# Altium PCB PCB3.PcbDoc (part 4 of 5)
Units mil, origin at the board's own origin, x right, y up, seen from the top; angles counter-clockwise.
Board outline 6000 x 4000 mil, 2 copper layers (Top Layer, Bottom Layer); 340 components, 0 nets, 1296 pads, 308 vias.
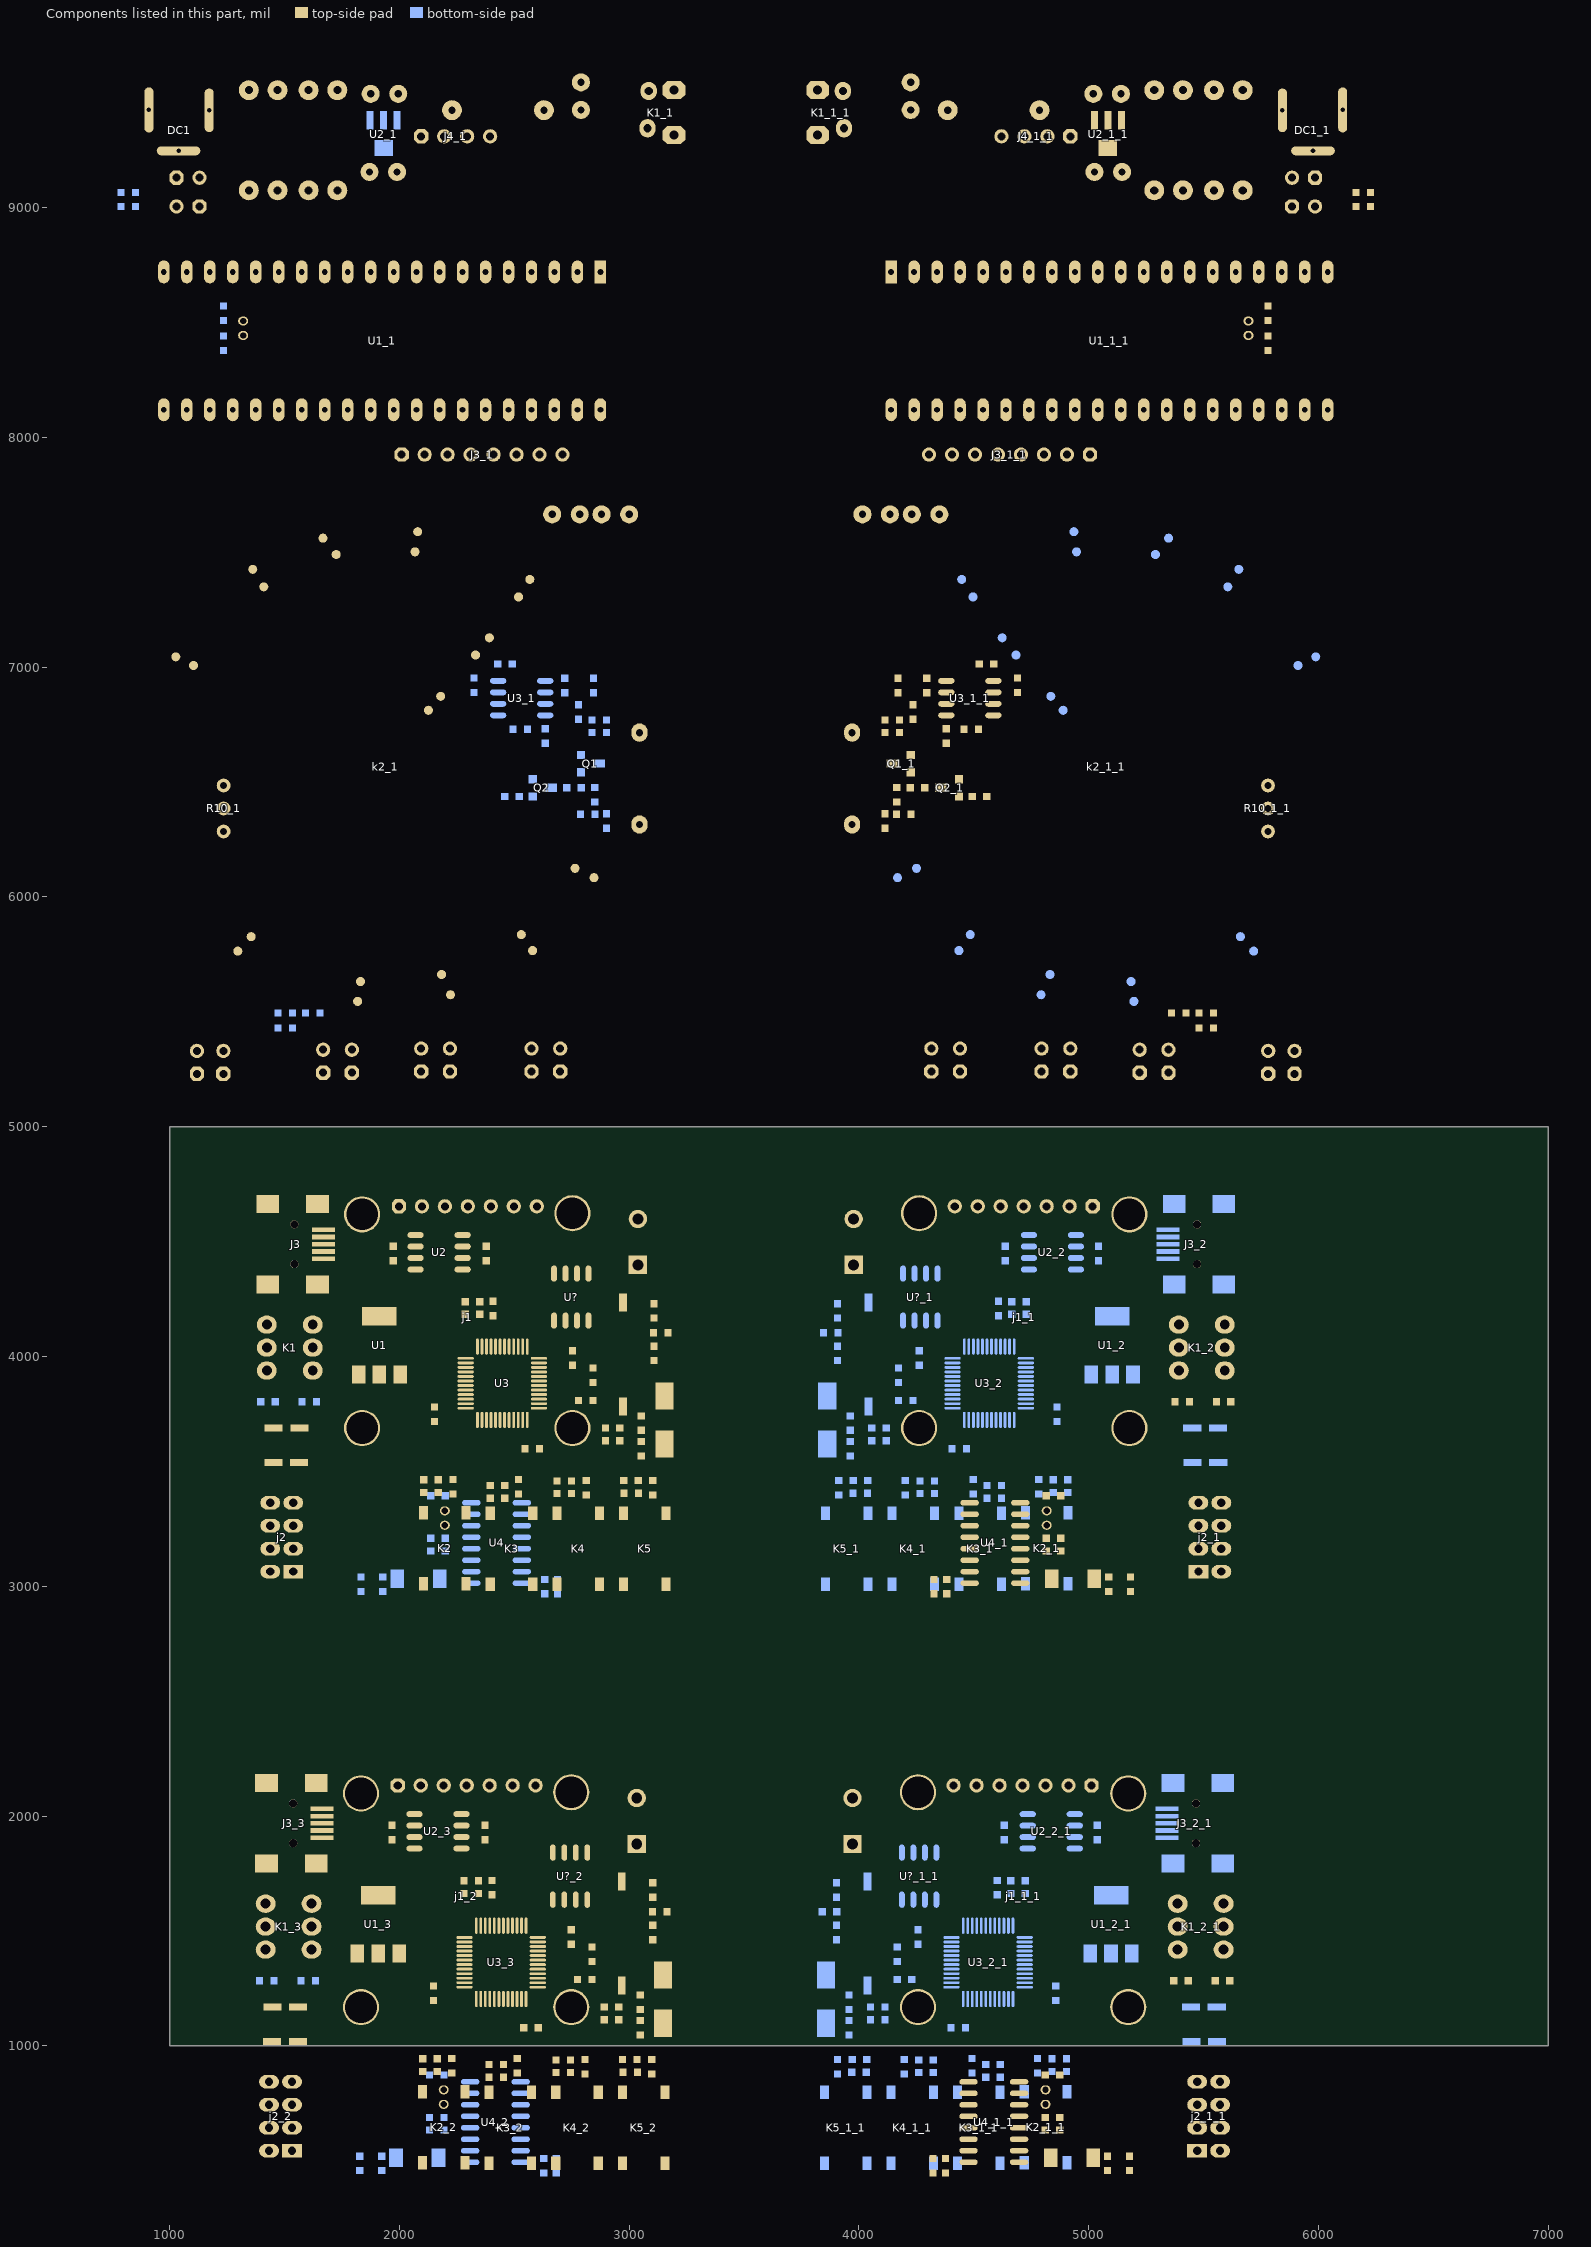
[diagram p4: the components of this part, seen from the top]

## Via types
v1: diameter 39.37, hole 19.68, Top Layer to Bottom Layer, 192 vias
v2: diameter 50, hole 28, Top Layer to Bottom Layer, 116 vias

## Nets (pads, with @x,y where several pads share a name; then routed paths per layer and width w, separated by ;. In a path a pad name is that pad's centre, name@x,y a point inside that pad or via, vN(x,y) a via of type N, cw(c..) or ccw(c..) an arc to the next point about the centre after c; other vN are vias at no path point) (continued)
copper on no net: (continued)
  Bottom Layer w2: 1611,6070 1623,6070 ; 1611,6072 1623,6072 ; 1611,6074 1623,6074 ; 1611,6076 1623,6076 ; 1611,6078 1623,6078 ; 1611,6080 1623,6080 ; 1611,6082 1623,6082 ; 1611,6084 1623,6084 ; 1611,6086 1623,6086 ; 1611,6088 1623,6088 ; 1611,6090 1623,6090 ; 1611,6092 1623,6092 ; 1611,6094 1623,6094 ; 1611,6096 1623,6096 ; 1611,6098 1623,6098 ; 1611,6100 1623,6100 ; 1611,6102 1623,6102 ; 1611,6104 1623,6104 ; 1613,6056 1625,6056 ; 1613,6058 1625,6058 ; 1613,6060 1625,6060 ; 1613,6062 1623,6062 ; 1613,6064 1623,6064 ; 1613,6066 1623,6066 ; 1613,6068 1623,6068 ; 1613,6106 1623,6106 ; 1613,6108 1623,6108 ; 1613,6110 1623,6110 ; 1613,6112 1623,6112 ; 1613,6114 1625,6114 ; 1613,6116 1625,6116 ; 1613,6118 1625,6118 ; 1613,6120 1625,6120 ; 1615,6046 1627,6046 ; 1615,6048 1627,6048 ; 1615,6050 1625,6050 ; 1615,6052 1625,6052 ; 1615,6054 1625,6054 ; 1615,6122 1625,6122 ; 1615,6124 1625,6124 ; 1615,6126 1627,6126 ; 1615,6128 1627,6128 ; 1615,6130 1627,6130 ; 1617,6038 1629,6038 ; 1617,6040 1629,6040 ; 1617,6042 1629,6042 ; 1617,6044 1627,6044 ; 1617,6132 1627,6132 ; 1617,6134 1627,6134 ; 1617,6136 1629,6136 ; 1617,6138 1629,6138 ; 1619,6032 1631,6032 ; 1619,6034 1629,6034 ; 1619,6036 1629,6036 ; 1619,6140 1629,6140 ; 1619,6142 1629,6142 ; 1619,6144 1631,6144 ; 1619,6146 1631,6146 ; 1621,6026 1633,6026 ; 1621,6028 1631,6028 ; 1621,6030 1631,6030 ; 1621,6148 1631,6148 ; 1621,6150 1633,6150 ; 1621,6152 1633,6152 ; 1623,6020 1635,6020 ; 1623,6022 1635,6022 ; 1623,6024 1633,6024 ; 1623,6154 1633,6154 ; 1623,6156 1635,6156 ; 1623,6158 1635,6158 ; 1625,6014 1637,6014 ; 1625,6016 1637,6016 ; 1625,6018 1635,6018 ; 1625,6160 1635,6160 ; 1625,6162 1637,6162 ; 1625,6164 1637,6164 ; 1627,6010 1639,6010 ; 1627,6012 1639,6012 ; 1627,6166 1639,6166 ; 1627,6168 1639,6168 ; 1629,6004 1641,6004 ; 1629,6006 1641,6006 ; 1629,6008 1641,6008 ; 1629,6170 1641,6170 ; 1629,6172 1641,6172 ; 1631,6000 1643,6000 ; 1631,6002 1643,6002 ; 1631,6174 1643,6174 ; 1631,6176 1643,6176 ; 1633,5996 1645,5996 ; 1633,5998 1645,5998 ; 1633,6178 1645,6178 ; 1633,6180 1645,6180 ; 1635,5992 1649,5992 ; 1635,5994 1647,5994 ; 1635,6182 1647,6182 ; 1635,6184 1647,6184 ; 1637,5988 1651,5988 ; 1637,5990 1649,5990 ; 1637,6186 1649,6186 ; 1637,6188 1651,6188 ; 1639,5986 1651,5986 ; 1639,6190 1653,6190 ; 1641,5982 1655,5982 ; 1641,5984 1653,5984 ; 1641,6192 1653,6192 ; 1641,6194 1655,6194 ; 1643,5978 1657,5978 ; 1643,5980 1655,5980 ; 1643,6196 1657,6196 ; 1645,5976 1659,5976 ; 1645,6198 1659,6198 ; 1645,6200 1661,6200 ; 1647,5972 1661,5972 ; 1647,5974 1659,5974 ; 1647,6202 1663,6202 ; 1649,5970 1663,5970 ; 1649,6204 1665,6204 ; 1651,5966 1665,5966 ; 1651,5968 1665,5968 ; 1651,6206 1665,6206 ; 1653,5964 1667,5964 ; 1653,6208 1669,6208 ; 1655,5962 1669,5962 ; 1655,6210 1671,6210 ; 1657,5958 1673,5958 ; 1657,5960 1671,5960 ; 1657,6212 1673,6212 ; 1659,5956 1673,5956 ; 1659,6214 1675,6214 ; 1661,5954 1675,5954 ; 1661,6216 1679,6216 ; 1663,5952 1677,5952 ; 1663,6218 1681,6218 ; 1665,5950 1679,5950 ; 1665,6220 1683,6220 ; 1667,5948 1681,5948 ; 1667,6222 1687,6222 ; 1669,5946 1683,5946 ; 1671,5944 1685,5944 ; 1671,6224 1689,6224 ; 1673,5812 1683,5812 ; 1673,5814 1683,5814 ; 1673,5816 1683,5816 ; 1673,5818 1683,5818 ; 1673,5820 1683,5820 ; 1673,5822 1685,5822 ; 1673,5824 1685,5824 ; 1673,5826 1685,5826 ; 1673,5828 1685,5828 ; 1673,5942 1689,5942 ; 1673,6226 1693,6226 ; 1675,5810 1681,5810 ; 1675,5830 1685,5830 ; 1675,5832 1685,5832 ; 1675,5834 1685,5834 ; 1675,5836 1685,5836 ; 1675,5838 1685,5838 ; 1675,5840 1687,5840 ; 1675,5842 1687,5842 ; 1675,5844 1687,5844 ; 1675,5846 1687,5846 ; 1675,5848 1687,5848 ; 1675,5940 1691,5940 ; 1677,5850 1687,5850 ; 1677,5852 1687,5852 ; 1677,5854 1687,5854 ; 1677,5856 1687,5856 ; 1677,5858 1689,5858 ; 1677,5860 1689,5860 ; 1677,5862 1689,5862 ; 1677,5938 1693,5938 ; 1677,6228 1697,6228 ; 1679,5864 1689,5864 ; 1679,5866 1689,5866 ; 1679,5868 1689,5868 ; 1679,5870 1691,5870 ; 1679,5872 1691,5872 ; 1679,5874 1691,5874 ; 1679,5936 1695,5936 ; 1679,6230 1699,6230 ; 1681,5876 1691,5876 ; 1681,5878 1691,5878 ; 1681,5880 1693,5880 ; 1681,5882 1693,5882 ; 1681,5934 1699,5934 ; 1681,6232 1703,6232 ; 1683,5884 1693,5884 ; 1683,5886 1693,5886 ; 1683,5888 1693,5888 ; 1683,5890 1695,5890 ; 1683,5892 1695,5892 ; 1683,5932 1701,5932 ; 1683,6110 1695,6110 ; 1683,6112 1695,6112 ; 1683,6114 1695,6114 ; 1683,6116 1695,6116 ; 1683,6118 1695,6118 ; 1683,6120 1695,6120 ; 1685,5894 1695,5894 ; 1685,5896 1697,5896 ; 1685,5898 1697,5898 ; 1685,5930 1703,5930 ; 1685,6100 1697,6100 ; 1685,6102 1697,6102 ; 1685,6104 1697,6104 ; 1685,6106 1695,6106 ; 1685,6108 1695,6108 ; 1685,6122 1695,6122 ; 1685,6124 1695,6124 ; 1685,6126 1697,6126 ; 1685,6128 1697,6128 ; 1685,6234 1709,6234 ; 1687,5900 1697,5900 ; 1687,5902 1699,5902 ; 1687,5904 1699,5904 ; 1687,5906 1699,5906 ; 1687,5928 1705,5928 ; 1687,6094 1699,6094 ; 1687,6096 1699,6096 ; 1687,6098 1697,6098 ; 1687,6130 1697,6130 ; 1687,6132 1699,6132 ; 1687,6134 1699,6134 ; 1689,5908 1701,5908 ; 1689,5910 1701,5910 ; 1689,6090 1701,6090 ; 1689,6092 1701,6092 ; 1689,6136 1701,6136 ; 1689,6138 1703,6138 ; 1689,6236 1713,6236 ; 1691,5912 1701,5912 ; 1691,5914 1703,5914 ; 1691,5916 1703,5916 ; 1691,5926 1705,5926 ; 1691,6086 1703,6086 ; 1691,6088 1703,6088 ; 1691,6140 1705,6140 ; 1693,5918 1703,5918 ; 1693,5920 1705,5920 ; 1693,5922 1705,5922 ; 1693,5924 1705,5924 ; 1693,6082 1707,6082 ; 1693,6084 1705,6084 ; 1693,6142 1705,6142 ; 1693,6144 1707,6144 ; 1693,6238 1717,6238 ; 1695,6078 1711,6078 ; 1695,6080 1709,6080 ; 1695,6146 1709,6146 ; 1695,6240 1721,6240 ; 1697,6076 1713,6076 ; 1697,6148 1713,6148 ; 1699,6074 1717,6074 ; 1699,6150 1715,6150 ; 1699,6242 1727,6242 ; 1701,6072 1719,6072 ; 1701,6152 1717,6152 ; 1703,6070 1723,6070 ; 1703,6154 1721,6154 ; 1703,6244 1733,6244 ; 1705,6068 1729,6068 ; 1705,6156 1725,6156 ; 1707,6158 1731,6158 ; 1707,6246 1739,6246 ; 1709,6066 1741,6066 ; 1709,6160 1785,6160 ; 1711,6064 1781,6064 ; 1713,6162 1781,6162 ; 1713,6248 1747,6248 ; 1715,6062 1777,6062 ; 1717,6164 1777,6164 ; 1717,6250 1755,6250 ; 1719,6060 1773,6060 ; 1721,6166 1771,6166 ; 1723,6252 1763,6252 ; 1725,6058 1767,6058 ; 1727,6168 1765,6168 ; 1729,6254 1775,6254 ; 1733,6056 1759,6056 ; 1735,6256 1793,6256 ; 1737,6170 1753,6170 ; 1741,6258 1899,6258 ; 1743,6136 1789,6136 ; 1743,6138 1803,6138 ; 1743,6140 1801,6140 ; 1743,6142 1801,6142 ; 1743,6144 1799,6144 ; 1743,6146 1799,6146 ; 1745,6134 1789,6134 ; 1745,6148 1797,6148 ; 1745,6150 1795,6150 ; 1747,6132 1789,6132 ; 1747,6152 1793,6152 ; 1749,6130 1787,6130 ; 1749,6154 1791,6154 ; 1749,6260 1893,6260 ; 1751,6128 1785,6128 ; 1751,6156 1789,6156 ; 1753,6014 1771,6014 ; 1753,6016 1769,6016 ; 1753,6018 1765,6018 ; 1753,6126 1783,6126 ; 1755,6012 1773,6012 ; 1755,6020 1763,6020 ; 1755,6066 1783,6066 ; 1755,6158 1787,6158 ; 1757,6010 1777,6010 ; 1757,6124 1779,6124 ; 1759,6262 1885,6262 ; 1761,6008 1781,6008 ; 1761,6122 1771,6122 ; 1763,6006 1783,6006 ; 1763,6068 1785,6068 ; 1767,6004 1787,6004 ; 1767,6264 1877,6264 ; 1769,6002 1791,6002 ; 1769,6070 1789,6070 ; 1771,6000 1797,6000 ; 1773,6072 1791,6072 ; 1775,6074 1793,6074 ; 1777,5998 1803,5998 ; 1779,5996 1809,5996 ; 1779,6076 1795,6076 ; 1781,6078 1795,6078 ; 1783,5994 1821,5994 ; 1783,6080 1797,6080 ; 1783,6266 1865,6266 ; 1785,6082 1799,6082 ; 1787,5992 1873,5992 ; 1787,6084 1799,6084 ; 1789,6086 1801,6086 ; 1789,6088 1801,6088 ; 1791,6090 1803,6090 ; 1791,6092 1803,6092 ; 1791,6136 1803,6136 ; 1793,5990 1869,5990 ; 1793,6094 1803,6094 ; 1793,6096 1805,6096 ; 1793,6098 1805,6098 ; 1793,6130 1805,6130 ; 1793,6132 1805,6132 ; 1793,6134 1805,6134 ; 1795,6100 1805,6100 ; 1795,6102 1807,6102 ; 1795,6104 1807,6104 ; 1795,6106 1807,6106 ; 1795,6108 1807,6108 ; 1795,6110 1807,6110 ; 1795,6112 1807,6112 ; 1795,6114 1807,6114 ; 1795,6116 1807,6116 ; 1795,6118 1807,6118 ; 1795,6120 1807,6120 ; 1795,6122 1807,6122 ; 1795,6124 1805,6124 ; 1795,6126 1805,6126 ; 1795,6128 1805,6128 ; 1799,5988 1863,5988 ; 1805,5986 1857,5986 ; 1805,6268 1851,6268 ; 1813,5984 1847,5984 ; 1841,5994 1879,5994 ; 1851,5996 1883,5996 ; 1855,6104 1867,6104 ; 1855,6106 1867,6106 ; 1855,6108 1867,6108 ; 1855,6110 1867,6110 ; 1855,6112 1865,6112 ; 1855,6114 1865,6114 ; 1855,6116 1865,6116 ; 1855,6118 1865,6118 ; 1855,6120 1865,6120 ; 1855,6122 1865,6122 ; 1855,6124 1865,6124 ; 1855,6126 1867,6126 ; 1855,6128 1867,6128 ; 1855,6130 1867,6130 ; 1857,6098 1911,6098 ; 1857,6100 1911,6100 ; 1857,6102 1867,6102 ; 1857,6132 1867,6132 ; 1857,6134 1867,6134 ; 1857,6136 1869,6136 ; 1857,6138 1869,6138 ; 1859,5998 1887,5998 ; 1859,6092 1913,6092 ; 1859,6094 1911,6094 ; 1859,6096 1911,6096 ; 1859,6140 1871,6140 ; 1859,6142 1871,6142 ; 1859,6144 1873,6144 ; 1859,6256 1905,6256 ; 1861,6088 1913,6088 ; 1861,6090 1913,6090 ; 1861,6146 1873,6146 ; 1863,6086 1913,6086 ; 1863,6148 1875,6148 ; 1863,6150 1877,6150 ; 1865,6000 1889,6000 ; 1865,6082 1913,6082 ; 1865,6084 1913,6084 ; 1865,6152 1879,6152 ; 1867,6080 1911,6080 ; 1867,6154 1881,6154 ; 1867,6156 1885,6156 ; 1869,6002 1893,6002 ; 1869,6078 1911,6078 ; 1869,6158 1889,6158 ; 1871,6076 1909,6076 ; 1871,6102 1909,6102 ; 1873,6004 1897,6004 ; 1873,6074 1909,6074 ; 1873,6104 1907,6104 ; 1873,6160 1895,6160 ; 1873,6254 1909,6254 ; 1875,6072 1905,6072 ; 1875,6106 1905,6106 ; 1875,6162 1953,6162 ; 1877,6070 1905,6070 ; 1877,6164 1949,6164 ; 1879,6006 1899,6006 ; 1879,6068 1951,6068 ; 1879,6108 1901,6108 ; 1881,6166 1945,6166 ; 1881,6252 1913,6252 ; 1883,6008 1901,6008 ; 1883,6066 1949,6066 ; 1885,6010 1903,6010 ; 1885,6110 1887,6110 ; 1885,6168 1941,6168 ; 1887,6064 1945,6064 ; 1889,6012 1905,6012 ; 1889,6250 1919,6250 ; 1891,6014 1905,6014 ; 1891,6170 1933,6170 ; 1893,6062 1939,6062 ; 1895,6016 1905,6016 ; 1895,6248 1923,6248 ; 1897,6018 1905,6018 ; 1899,6060 1933,6060 ; 1901,5842 1913,5842 ; 1901,5846 1913,5846 ; 1901,5848 1913,5848 ; 1901,5850 1913,5850 ; 1901,5852 1913,5852 ; 1901,5854 1913,5854 ; 1901,5856 1913,5856 ; 1901,5858 1913,5858 ; 1901,5860 1913,5860 ; 1901,5862 1913,5862 ; 1901,5864 1913,5864 ; 1901,5866 1913,5866 ; 1901,5868 1913,5868 ; 1901,5870 1913,5870 ; 1901,5872 1913,5872 ; 1901,5874 1913,5874 ; 1901,5876 1913,5876 ; 1901,5878 1913,5878 ; 1901,5880 1913,5880 ; 1901,5882 1913,5882 ; 1901,5884 1913,5884 ; 1901,5886 1913,5886 ; 1901,5888 1913,5888 ; 1901,5890 1913,5890 ; 1901,5892 1913,5892 ; 1901,5894 1913,5894 ; 1901,5896 1913,5896 ; 1901,5898 1913,5898 ; 1901,5900 1913,5900 ; 1901,5902 1913,5902 ; 1901,5904 1913,5904 ; 1901,5906 1913,5906 ; 1901,5908 1913,5908 ; 1901,5910 1913,5910 ; 1901,6246 1927,6246 ; 1903,5814 1913,5814 ; 1903,5816 1913,5816 ; 1903,5818 1913,5818 ; 1903,5820 1913,5820 ; 1903,5822 1913,5822 ; 1903,5824 1913,5824 ; 1903,5826 1913,5826 ; 1903,5828 1913,5828 ; 1903,5830 1913,5830 ; 1903,5832 1913,5832 ; 1903,5834 1913,5834 ; 1903,5836 1913,5836 ; 1903,5838 1913,5838 ; 1903,5840 1913,5840 ; 1903,5844 1913,5844 ; 1903,5912 1913,5912 ; 1903,5914 1913,5914 ; 1903,5916 1913,5916 ; 1903,5918 1913,5918 ; 1903,5920 1913,5920 ; 1903,5922 1913,5922 ; 1903,5924 1915,5924 ; 1903,5926 1919,5926 ; 1903,6172 1921,6172 ; 1905,5812 1911,5812 ; 1905,5928 1923,5928 ; 1905,5930 1927,5930 ; 1905,6244 1929,6244 ; 1909,5932 1931,5932 ; 1909,6058 1923,6058 ; 1909,6242 1933,6242 ; 1911,5934 1933,5934 ; 1915,5936 1937,5936 ; 1915,6240 1937,6240 ; 1919,5938 1939,5938 ; 1919,6238 1941,6238 ; 1923,5940 1941,5940 ; 1923,6236 1943,6236 ; 1925,5942 1945,5942 ; 1925,6234 1945,6234 ; 1927,6160 1955,6160 ; 1929,5944 1949,5944 ; 1929,6070 1953,6070 ; 1929,6232 1949,6232 ; 1931,5946 1951,5946 ; 1933,6230 1951,6230 ; 1935,5948 1953,5948 ; 1935,6072 1957,6072 ; 1935,6228 1953,6228 ; 1937,5950 1957,5950 ; 1937,6158 1957,6158 ; 1937,6226 1955,6226 ; 1939,6074 1959,6074 ; 1941,5952 1959,5952 ; 1941,6156 1959,6156 ; 1941,6224 1959,6224 ; 1943,5954 1961,5954 ; 1943,6076 1961,6076 ; 1943,6222 1961,6222 ; 1945,6154 1961,6154 ; 1947,5956 1963,5956 ; 1947,6078 1961,6078 ; 1947,6152 1963,6152 ; 1947,6220 1963,6220 ; 1949,5958 1967,5958 ; 1949,6080 1963,6080 ; 1949,6218 1965,6218 ; 1951,5960 1969,5960 ; 1951,6082 1965,6082 ; 1951,6148 1965,6148 ; 1951,6150 1963,6150 ; 1951,6216 1967,6216 ; 1953,6084 1965,6084 ; 1953,6146 1967,6146 ; 1953,6214 1969,6214 ; 1955,5962 1971,5962 ; 1955,6086 1967,6086 ; 1955,6088 1967,6088 ; 1955,6142 1967,6142 ; 1955,6144 1967,6144 ; 1955,6212 1971,6212 ; 1957,5964 1973,5964 ; 1957,6090 1969,6090 ; 1957,6092 1969,6092 ; 1957,6138 1969,6138 ; 1957,6140 1969,6140 ; 1957,6210 1973,6210 ; 1959,5966 1977,5966 ; 1959,6094 1971,6094 ; 1959,6096 1971,6096 ; 1959,6132 1971,6132 ; 1959,6134 1971,6134 ; 1959,6136 1971,6136 ; 1959,6208 1975,6208 ; 1961,6098 1971,6098 ; 1961,6100 1971,6100 ; 1961,6102 1973,6102 ; 1961,6104 1973,6104 ; 1961,6120 1973,6120 ; 1961,6122 1973,6122 ; 1961,6124 1973,6124 ; 1961,6126 1971,6126 ; 1961,6128 1971,6128 ; 1961,6130 1971,6130 ; 1961,6206 1977,6206 ; 1963,5968 1979,5968 ; 1963,6106 1973,6106 ; 1963,6108 1973,6108 ; 1963,6110 1973,6110 ; 1963,6112 1973,6112 ; 1963,6114 1973,6114 ; 1963,6116 1973,6116 ; 1963,6118 1973,6118 ; 1963,6204 1977,6204 ; 1965,5970 1981,5970 ; 1965,6202 1979,6202 ; 1967,5972 1983,5972 ; 1967,6200 1981,6200 ; 1969,5974 1985,5974 ; 1969,6196 1983,6196 ; 1969,6198 1983,6198 ; 1971,5976 1987,5976 ; 1971,6194 1985,6194 ; 1973,5978 1989,5978 ; 1973,6192 1987,6192 ; 1975,5980 1991,5980 ; 1975,6190 1989,6190 ; 1977,5982 1993,5982 ; 1977,6186 1991,6186 ; 1977,6188 1989,6188 ; 1979,5984 1993,5984 ; 1979,6184 1991,6184 ; 1981,5986 1995,5986 ; 1981,6180 1995,6180 ; 1981,6182 1993,6182 ; 1983,5988 1997,5988 ; 1983,6178 1995,6178 ; 1985,5990 1999,5990 ; 1985,5992 1999,5992 ; 1985,6174 1997,6174 ; 1985,6176 1997,6176 ; 1987,5994 2001,5994 ; 1987,6170 1999,6170 ; 1987,6172 1999,6172 ; 1989,5996 2003,5996 ; 1989,6166 2001,6166 ; 1989,6168 2001,6168 ; 1991,5998 2003,5998 ; 1991,6162 2005,6162 ; 1991,6164 2003,6164 ; 1993,6000 2005,6000 ; 1993,6002 2005,6002 ; 1993,6158 2005,6158 ; 1993,6160 2005,6160 ; 1995,6004 2007,6004 ; 1995,6006 2007,6006 ; 1995,6154 2007,6154 ; 1995,6156 2007,6156 ; 1997,6008 2009,6008 ; 1997,6010 2009,6010 ; 1997,6150 2009,6150 ; 1997,6152 2009,6152 ; 1999,6012 2009,6012 ; 1999,6014 2011,6014 ; 1999,6016 2011,6016 ; 1999,6144 2011,6144 ; 1999,6146 2011,6146 ; 1999,6148 2009,6148 ; 2001,6018 2013,6018 ; 2001,6020 2013,6020 ; 2001,6138 2013,6138 ; 2001,6140 2013,6140 ; 2001,6142 2013,6142 ; 2003,6022 2013,6022 ; 2003,6024 2013,6024 ; 2003,6026 2015,6026 ; 2003,6132 2015,6132 ; 2003,6134 2015,6134 ; 2003,6136 2013,6136 ; 2005,6028 2015,6028 ; 2005,6030 2015,6030 ; 2005,6032 2017,6032 ; 2005,6034 2017,6034 ; 2005,6036 2017,6036 ; 2005,6126 2017,6126 ; 2005,6128 2017,6128 ; 2005,6130 2015,6130 ; 2007,6038 2017,6038 ; 2007,6040 2019,6040 ; 2007,6042 2019,6042 ; 2007,6044 2019,6044 ; 2007,6116 2019,6116 ; 2007,6118 2019,6118 ; 2007,6120 2017,6120 ; 2007,6122 2017,6122 ; 2007,6124 2017,6124 ; 2009,6046 2019,6046 ; 2009,6048 2019,6048 ; 2009,6050 2019,6050 ; 2009,6052 2021,6052 ; 2009,6054 2021,6054 ; 2009,6056 2021,6056 ; 2009,6104 2021,6104 ; 2009,6106 2021,6106 ; 2009,6108 2021,6108 ; 2009,6110 2019,6110 ; 2009,6112 2019,6112 ; 2009,6114 2019,6114 ; 2011,6058 2021,6058 ; 2011,6060 2021,6060 ; 2011,6062 2021,6062 ; 2011,6064 2021,6064 ; 2011,6066 2021,6066 ; 2011,6068 2021,6068 ; 2011,6070 2021,6070 ; 2011,6072 2023,6072 ; 2011,6074 2023,6074 ; 2011,6076 2023,6076 ; 2011,6078 2023,6078 ; 2011,6080 2023,6080 ; 2011,6082 2023,6082 ; 2011,6084 2023,6084 ; 2011,6086 2023,6086 ; 2011,6088 2023,6088 ; 2011,6090 2021,6090 ; 2011,6092 2021,6092 ; 2011,6094 2021,6094 ; 2011,6096 2021,6096 ; 2011,6098 2021,6098 ; 2011,6100 2021,6100 ; 2011,6102 2021,6102 ; 2756,786 2768,786 ; 2756,788 2768,788 ; 2756,790 2768,790 ; 2756,792 2768,792 ; 2756,794 2768,794 ; 2756,796 2768,796 ; 2756,798 2768,798 ; 2756,800 2768,800 ; 2756,802 2768,802 ; 2758,766 2770,766 ; 2758,768 2770,768 ; 2758,770 2770,770 ; 2758,772 2768,772 ; 2758,774 2768,774 ; 2758,776 2768,776 ; 2758,778 2768,778 ; 2758,780 2768,780 ; 2758,782 2768,782 ; 2758,784 2768,784 ; 2758,804 2768,804 ; 2758,806 2768,806 ; 2758,808 2768,808 ; 2758,810 2768,810 ; 2758,812 2768,812 ; 2758,814 2768,814 ; 2758,816 2768,816 ; 2758,818 2770,818 ; 2758,820 2770,820 ; 2758,822 2770,822 ; 2760,754 2772,754 ; 2760,756 2772,756 ; 2760,758 2772,758 ; 2760,760 2770,760 ; 2760,762 2770,762 ; 2760,764 2770,764 ; 2760,824 2770,824 ; 2760,826 2770,826 ; 2760,828 2770,828 ; 2760,830 2772,830 ; 2760,832 2772,832 ; 2761,3306 2773,3306 ; 2761,3308 2773,3308 ; 2761,3310 2773,3310 ; 2761,3312 2773,3312 ; 2761,3314 2773,3314 ; 2761,3316 2773,3316 ; 2761,3318 2773,3318 ; 2761,3320 2773,3320 ; 2761,3322 2773,3322 ; 2762,746 2774,746 ; 2762,748 2774,748 ; 2762,750 2774,750 ; 2762,752 2772,752 ; 2762,834 2772,834 ; 2762,836 2772,836 ; 2762,838 2772,838 ; 2762,840 2774,840 ; 2762,842 2774,842 ; 2763,3286 2775,3286 ; 2763,3288 2775,3288 ; 2763,3290 2775,3290 ; 2763,3292 2773,3292 ; 2763,3294 2773,3294 ; 2763,3296 2773,3296 ; 2763,3298 2773,3298 ; 2763,3300 2773,3300 ; 2763,3302 2773,3302 ; 2763,3304 2773,3304 ; 2763,3324 2773,3324 ; 2763,3326 2773,3326 ; 2763,3328 2773,3328 ; 2763,3330 2773,3330 ; 2763,3332 2773,3332 ; 2763,3334 2773,3334 ; 2763,3336 2773,3336 ; 2763,3338 2775,3338 ; 2763,3340 2775,3340 ; 2763,3342 2775,3342 ; 2764,740 2776,740 ; 2764,742 2774,742 ; 2764,744 2774,744 ; 2764,844 2774,844 ; 2764,846 2776,846 ; 2764,848 2776,848 ; 2765,3274 2777,3274 ; 2765,3276 2777,3276 ; 2765,3278 2777,3278 ; 2765,3280 2775,3280 ; 2765,3282 2775,3282 ; 2765,3284 2775,3284 ; 2765,3344 2775,3344 ; 2765,3346 2775,3346 ; 2765,3348 2775,3348 ; 2765,3350 2777,3350 ; 2765,3352 2777,3352 ; 2766,732 2778,732 ; 2766,734 2778,734 ; 2766,736 2776,736 ; 2766,738 2776,738 ; 2766,850 2776,850 ; 2766,852 2778,852 ; 2766,854 2778,854 ; 2766,856 2778,856 ; 2767,3266 2779,3266 ; 2767,3268 2779,3268 ; 2767,3270 2779,3270 ; 2767,3272 2777,3272 ; 2767,3354 2777,3354 ; 2767,3356 2777,3356 ; 2767,3358 2777,3358 ; 2767,3360 2779,3360 ; 2767,3362 2779,3362 ; 2768,728 2780,728 ; 2768,730 2780,730 ; 2768,858 2780,858 ; 2768,860 2780,860 ; 2769,3260 2781,3260 ; 2769,3262 2779,3262 ; 2769,3264 2779,3264 ; 2769,3364 2779,3364 ; 2769,3366 2781,3366 ; 2769,3368 2781,3368 ; 2770,722 2782,722 ; 2770,724 2782,724 ; 2770,726 2780,726 ; 2770,862 2780,862 ; 2770,864 2782,864 ; 2770,866 2782,866 ; 2771,3252 2783,3252 ; 2771,3254 2783,3254 ; 2771,3256 2781,3256 ; 2771,3258 2781,3258 ; 2771,3370 2781,3370 ; 2771,3372 2783,3372 ; 2771,3374 2783,3374 ; 2771,3376 2783,3376 ; 2772,718 2784,718 ; 2772,720 2784,720 ; 2772,868 2784,868 ; 2772,870 2784,870 ; 2773,3248 2785,3248 ; 2773,3250 2785,3250 ; 2773,3378 2785,3378 ; 2773,3380 2785,3380 ; 2774,714 2786,714 ; 2774,716 2786,716 ; 2774,872 2786,872 ; 2774,874 2786,874 ; 2774,876 2788,876 ; 2775,3242 2787,3242 ; 2775,3244 2787,3244 ; 2775,3246 2785,3246 ; 2775,3382 2785,3382 ; 2775,3384 2787,3384 ; 2775,3386 2787,3386 ; 2776,710 2790,710 ; 2776,712 2788,712 ; 2776,878 2788,878 ; 2777,3238 2789,3238 ; 2777,3240 2789,3240 ; 2777,3388 2789,3388 ; 2777,3390 2789,3390 ; 2778,708 2792,708 ; 2778,880 2790,880 ; 2778,882 2790,882 ; 2779,3234 2791,3234 ; 2779,3236 2791,3236 ; 2779,3392 2791,3392 ; 2779,3394 2791,3394 ; 2779,3396 2793,3396 ; 2780,704 2794,704 ; 2780,706 2794,706 ; 2780,884 2792,884 ; 2780,886 2792,886 ; 2781,3230 2795,3230 ; 2781,3232 2793,3232 ; 2781,3398 2793,3398 ; 2782,702 2796,702 ; 2782,888 2794,888 ; 2782,890 2794,890 ; 2783,3228 2797,3228 ; 2783,3400 2795,3400 ; 2783,3402 2795,3402 ; 2784,700 2798,700 ; 2784,892 2796,892 ; 2784,894 2798,894 ; 2785,3224 2799,3224 ; 2785,3226 2799,3226 ; 2785,3404 2797,3404 ; 2785,3406 2797,3406 ; 2786,696 2802,696 ; 2786,698 2800,698 ; 2786,896 2798,896 ; 2787,3222 2801,3222 ; 2787,3408 2799,3408 ; 2787,3410 2799,3410 ; 2788,694 2804,694 ; 2788,898 2800,898 ; 2788,900 2802,900 ; 2789,3220 2803,3220 ; 2789,3412 2801,3412 ; 2789,3414 2803,3414 ; 2790,692 2806,692 ; 2790,902 2802,902 ; 2790,904 2804,904 ; 2791,3216 2807,3216 ; 2791,3218 2805,3218 ; 2791,3416 2803,3416 ; 2792,690 2808,690 ; 2792,906 2806,906 ; 2793,3214 2809,3214 ; 2793,3418 